# KiCad board cyberdeck-alpha.kicad_pcb (continued)
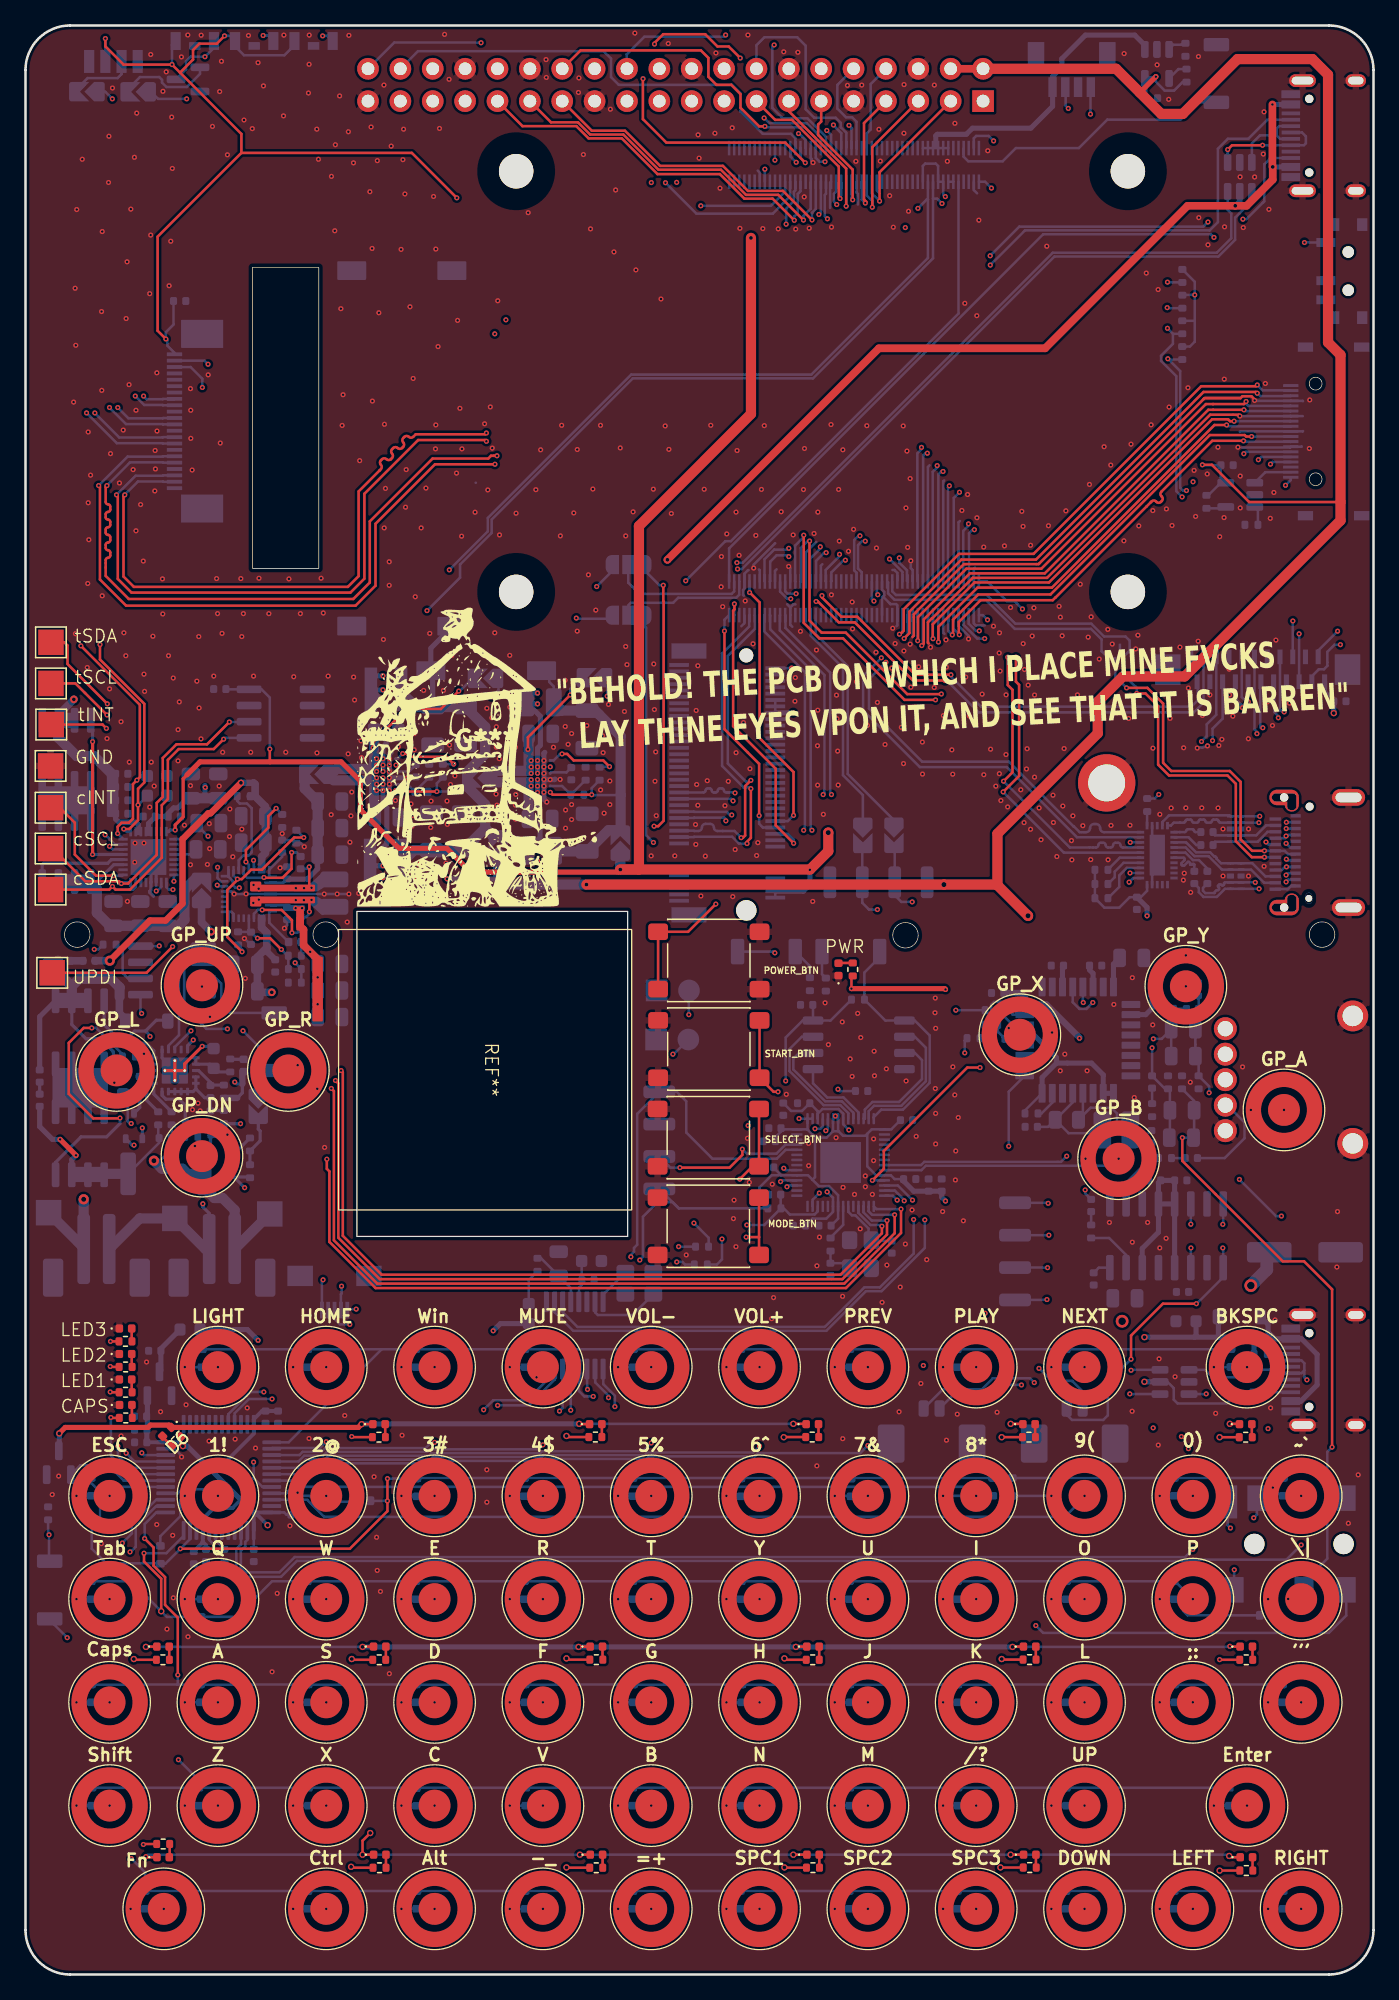
[diagram p0: board, top side]
## Routing (per net, layer and track width the routed paths; a pad name or vN(x,y) marks a point on that pad's centre or on a via; arc(x,y) is an arc through that point) (continued)
/PWR_OK_3V3: length 6.1
  Top w0.2: v1(45.83,94.76) 45.34,95.24 43.02,95.24 42.5,95.76 v1(42.1,95.76)
  Bottom w0.2: U11.F4 41.44,95.24 41.95,95.76 v1(42.1,95.76) ; v1(45.83,94.76) 45.09,94.76 R51.1
/PWR_OK_5V: length 5.9
  Top w0.2: v1(29.6,95.78) 29.9,95.78 30.15,95.53 33.03,95.53 v1(33.6,94.96)
  Bottom w0.2: v1(29.6,95.78) 29.2,95.38 U10.F4 ; R48.1 32.77,94.96 v1(33.6,94.96)
/QSPI_CLK: length 9.2
  Bottom w0.2: U1.6 60.7,72.3 60.25,71.85 60.25,71 62.75,68.5 64.06,68.5 64.96,67.6 U5.52
/REGN: length 6.9
  Top w0.2: v1(18.21,81.3) 19.2,81.3 v1(20.08,80.42)
  Bottom w0.2: R73.2 17.68,81.8 C76.2 ; C76.2 18.18,81.3 v1(18.21,81.3) ; C76.2 17.53,81.95 U4.5 ; R75.1 20.62,78.88 R97.2 20.57,79.93 v1(20.08,80.42)
/RIGHT_CH_AMP_IN: length 49.5
  In1.Cu w0.2: RV1.5 96.75,71.6 96.75,55.85 91.75,50.85 91.75,41.75 v1(91.25,41.25)
  In2.Cu w0.2: v1(91.25,41.25) 92.25,41.25 93.38,40.13 93.38,33.23 v1(94.85,31.75)
  Bottom w0.2: v1(94.85,31.75) 94.84,31.74 J8.5
/RIGHT_CH_LINE: length 15.9
  In2.Cu w0.2: v1(83,76.25) 86.55,72.7 v1(88.4,72.7)
  Bottom w0.2: U9.29 82.97,76.28 v1(83,76.25) ; C45.1 89.8,65.7 C44.1 89.8,69.33 R36.2 89.42,69.48 C40.2 v1(88.4,72.7)
/RIGHT_CH_PREAMP: length 47.3
  Top w0.2: v1(102.53,41.38) 102.53,53.75 100.33,55.95 98.65,55.95 90.78,63.83 v1(90.78,65.65)
  Bottom w0.2: J8.6 100.34,30.81 102.15,32.63 102.15,41 v1(102.53,41.38) ; R38.2 91.7,68.53 C44.2 91.7,65.7 C45.2 v1(90.78,65.65)
/row0: length 92.4
  Bottom w0.2: U2.37 20.65,41.75 27.95,49.05 ; 27.95,49.05 D_6.1 ; 27.95,49.05 94.58,49.05 D_63.1
/row1: length 107.5
  Top w0.2: v1(28.4,38.9) v1(28.4,37.15) 28.4,36.35 25.45,33.4 v1(12.15,33.4)
  Bottom w0.2: v1(28.4,37.15) 27.09,37.15 D_13.1 ; U2.11 12.91,34.16 v1(12.15,33.4) 10.98,32.23 D_7.1 10.56,32.25 6.35,32.25 5.2,33.4 5.2,34.95 5.85,35.6 5.85,37.85 5.15,38.55 D_1.1 ; v1(28.4,38.9) 28.41,38.91 D_19.1 30.74,38.95 D_64.1
/row2: length 105.3
  Top w0.2: v1(9.3,33.05) 9.3,32.4 10.65,31.05 v2(10.65,28.5)
  Bottom w0.2: v1(9.3,33.05) 11.05,33.05 12.41,34.41 U2.12 ; D_65.1 91.2,28.18 90.88,28.5 90.88,30.18 90.2,30.85 90.1,30.85 ; D_60.1 D_14.1 19.35,30.85 16.55,28.05 D_8.1 11.1,28.05 v2(10.65,28.5) 8.3,30.85 D_2.1
/row3: length 109.2
  Top w0.2: v1(9.35,34.2) 10.05,33.5 10.05,32.08 10.95,31.17 10.95,29 11.95,28 v1(11.95,23.5)
  Bottom w0.2: 11.9,22.75 11.95,22.8 v1(11.95,23.5) ; 11.9,22.75 5.18,22.75 ; 11.9,22.75 98.63,22.75 ; v1(9.35,34.2) 9.35,35.34 10.26,36.25 U2.13
/row4: length 115.9
  In2.Cu w0.2: v1(12,16.85) 8.6,20.25 8.6,22.47 7.35,23.73 7.35,32.3 v1(8.2,33.15)
  Bottom w0.2: v1(8.2,33.15) 8.25,33.15 8.65,33.55 8.65,35.14 10.26,36.75 U2.14 ; 5.21,14.65 94.45,14.65 ; v1(12,16.85) 13.6,15.25 13.6,14.65
/row5: length 123.1
  In2.Cu w0.2: v1(7.6,33.85) 7,33.25 7,23.65 8.3,22.35 v1(8.3,9.1)
  Bottom w0.2: D_68.1 D_62.1 D_5.1 9.38,8.02 v1(8.3,9.1) ; U2.15 10.26,37.25 8.35,35.34 8.35,34.6 v1(7.6,33.85)
/RP2040_1v1: length 18.4
  In1.Cu w0.4: v1(62.9,61.4) 62.9,62.6 64.61,64.31 v1(64.61,66.25)
  Bottom w0.2: C21.2 60.07,67.75 60.94,67.75 C16.2 62.16,67.73 U5.45 62.16,67.53 62.53,67.9 63.79,67.9 64.16,67.53 U5.50 64.16,66.7 v1(64.61,66.25) 64.65,66.25 ; v1(62.9,61.4) 63.36,60.94 U5.23 63.36,59.83 62.84,59.3 61.75,59.3 61.21,58.76 C15.2 61.34,58.88
/SD0: length 6.1
  Bottom w0.2: U5.53 65.36,67.63 64.19,68.8 62.9,68.8 61.8,69.91 U1.5
/SD1: length 10.7
  Bottom w0.2: U1.2 69.78,73.57 70.65,72.7 70.65,70.07 68.72,68.15 66.58,68.15 66.16,67.73 U5.55
/SD2: length 9.4
  Bottom w0.2: U5.54 65.86,67.14 65.86,67.85 66.46,68.45 68.55,68.45 70.35,70.25 70.35,71.73 69.78,72.3 U1.3
/SD3: length 10.4
  Bottom w0.2: U1.7 60.92,73.57 59.95,72.6 59.95,70.87 62.62,68.2 63.94,68.2 64.56,67.58 U5.51
/SHIP_MODE: length 7.6
  Bottom w0.2: K_85.1 16.02,75.44 15.37,76.1 15.37,77.72 14.95,78.14 U17.7
/TINY202_UPDI: length 28.1
  Top w0.2: v1(11.55,80.64) 9.5,78.59 TP4.1
  In2.Cu w0.2: v1(15.85,74.19) 15.85,75.01 14.45,76.41 13.2,76.41 11.55,78.06 v1(11.55,80.64)
  Bottom w0.2: v1(15.85,74.19) 14.2,74.19 12.45,75.94 12.45,78.86 13,79.41 U17.6
/USB2_SYS_N: length 118.6
  In2.Cu w0.2: v1(55.82,110.76) 51.32,110.76 50.65,110.09 46.02,110.09 v1(44.82,108.89) 40.47,104.54 30.57,104.54 29.4,103.36 13.97,103.36 6.25,95.64 v1(6.25,89.41)
  Bottom w0.2: v1(55.82,110.76) 56.29,110.76 80.61,135.08 93.48,135.08 94.62,136.21 94.62,138.16 94.33,138.44 94.33,139.88 ; U18.23 7.01,88.67 6.26,89.41 v1(6.25,89.41) ; v1(44.82,108.89) 45.95,110.01 45.95,110.09 46,110.14
/USB2_SYS_P: length 120.3
  In2.Cu w0.2: v1(55.87,110.26) 51.52,110.26 50.92,109.66 46.47,109.66 v1(43.22,106.41) 40.95,104.14 30.72,104.14 29.57,102.99 14.12,102.99 6.65,95.51 6.65,88.56 v1(6.6,88.51)
  Bottom w0.2: U18.22 6.84,88.27 v1(6.6,88.51) ; 96.23,139.88 96.23,139.14 94.92,137.83 94.92,136.09 93.6,134.77 80.73,134.77 56.22,110.26 v1(55.87,110.26) ; v1(43.22,106.41) 43.27,106.36 45.92,106.36
/USB3_0_D_N: length 18.8
  Bottom w0.2: SJ2.1 68.15,90.56 64.52,94.19 64.52,102.65 62.01,105.15 Module3.136
/USB3_0_D_P: length 18
  Bottom w0.2: SJ1.1 65.71,92.53 64.15,94.09 64.15,102.51 61.61,105.04 Module3.134
/USB31_CC1: length 13.5
  In2.Cu w0.2: v1(97.34,88.85) 97.04,88.85 96.07,87.88 87.76,87.88 86.67,86.79 v1(86.67,86.42)
  Bottom w0.2: J21.A5 97.53,88.65 v1(97.34,88.85) ; v1(86.67,86.42) U19.2
/USB31_CC2: length 17
  In2.Cu w0.2: v1(86.6,85.7) 88.03,84.27 97.22,84.27 97.75,84.8 97.75,86.31 v1(98.94,87.5)
  Bottom w0.2: U19.1 86.92,86.02 v1(86.6,85.7) ; J21.B5 99.03,87.4 v1(98.94,87.5)
/USB31_RX1_N: length 11.2
  In1.Cu w0.2: v1(96.78,90.37) 97.25,89.9 v1(98.93,89.9)
  Bottom w0.2: J21.B10 98.93,89.9 v1(98.93,89.9) ; v1(96.78,90.37) U20.2 U20.9 93.74,90.37 arc(93.65,90.4) 93.62,90.49 arc(93.58,90.57) 93.5,90.61 93.22,90.61 arc(93.13,90.57) 93.1,90.49 arc(93.06,90.4) 92.98,90.37 92.7,90.37 arc(92.61,90.4) 92.58,90.49 arc(92.54,90.57) 92.46,90.61 92.18,90.61 arc(92.09,90.57) 92.06,90.49 arc(92.02,90.4) 91.94,90.37 91.66,90.37 arc(91.57,90.4) 91.54,90.49 arc(91.5,90.57) 91.42,90.61 91.14,90.61 arc(91.05,90.57) 91.02,90.49 arc(90.98,90.4) 90.9,90.37 90.11,90.37 89.88,90.14 89.61,90.14 U19.15
/USB31_RX1_P: length 11.2
  In1.Cu w0.2: v1(98.94,90.4) 97.32,90.4 v1(96.85,90.87)
  Bottom w0.2: v1(98.94,90.4) 98.94,90.4 J21.B11 ; U19.14 89.21,90.41 89.73,90.94 94.48,90.94 U20.10 U20.1 v1(96.85,90.87)
/USB31_RX2_N: length 9.1
  Bottom w0.2: U19.18 91.07,88.82 91.85,88.04 92.96,88.04 93.28,87.72 93.36,87.72 93.47,87.61 93.47,87.53 93.82,87.18 U21.10 U21.1 96.27,87.18 97.29,86.15 J21.A10
/USB31_RX2_P: length 9.1
  Bottom w0.2: U19.19 91.04,88.42 91.72,87.73 92.83,87.73 93.89,86.68 U21.9 U21.2 96.17,86.68 97.19,85.65 J21.A11
/USB31_TX1_N: length 5.4
  Bottom w0.2: 93.07,88.61 93.33,88.87 U20.6 U20.5 96.69,88.87 97.47,89.65 J21.A3
/USB31_TX1_P: length 5.4
  Bottom w0.2: J21.A2 97.35,90.15 96.57,89.37 U20.4 U20.7 93.33,89.37 93.07,89.63
/USB31_TX2_N: length 9.1
  In1.Cu w0.2: v1(96.5,85.68) 97.07,86.25 v1(98.92,86.25)
  Bottom w0.2: v1(98.92,86.25) 99.06,86.4 J21.B3 ; C75.2 92.4,85.25 92.4,85.02 92.58,84.84 93.29,84.84 93.33,84.88 93.33,84.94 93.46,85.07 93.58,85.07 93.66,85.14 93.66,85.27 93.58,85.35 93.58,85.43 93.67,85.52 93.8,85.52 93.87,85.45 93.96,85.45 93.99,85.48 94.02,85.48 94.05,85.51 94.05,85.62 94.11,85.68 U21.7 U21.4 v1(96.5,85.68)
/USB31_TX2_P: length 9.1
  In1.Cu w0.2: v1(98.92,85.72) 97.34,85.72 v1(96.8,85.18)
  Bottom w0.2: C74.2 92.07,85.24 92.07,84.91 92.44,84.53 93.48,84.53 94.12,85.18 U21.6 U21.5 v1(96.8,85.18) ; J21.B2 99.1,85.9 v1(98.92,85.72)
Net-(C14-Pad2): length 2.6
  Bottom w0.2: X2.1 64.27,55.8 C14.2 63.17,55.81 R29.1
Net-(C18-Pad1): length 21.2
  In2.Cu w0.2: RV1.3 92.85,70.2 87.95,65.3 81.5,65.3 80.65,64.45 80.65,63.3 82.4,61.55 v1(83.15,61.55)
  Bottom w0.2: C18.1 83.15,61.28 v1(83.15,61.55)
Net-(C18-Pad2): length 1
  Bottom w0.2: C18.2 R32.1
Net-(C19-Pad1): length 7.7
  Bottom w0.2: C19.1 94.1,64.05 95.65,65.6 95.65,66.85 94.25,68.25 94.1,68.25
Net-(C19-Pad2): length 1.1
  Bottom w0.2: C19.2 R33.1
Net-(C40-Pad1): length 1.2
  Bottom w0.2: C40.1 88.4,68.32
Net-(C41-Pad1): length 1.1
  Bottom w0.2: C41.1 92.05,76.73 R35.2
Net-(C86-Pad1): length 2.1
  Bottom w0.25: R91.2 13.5,65.75 C87.1 13.53,66.79 C86.1
Net-(C89-Pad1): length 0.9
  Bottom w0.25: C89.1 C90.2
Net-(C91-Pad1): length 1
  Bottom w0.6: C91.1 C92.2
Net-(D1-A): length 1
  Top w0.2: R20.2 8.34,49.69 D1.2
Net-(D2-A): length 1
  Top w0.2: D2.2 8.34,47.7 R21.2
Net-(D3-A): length 1
  Top w0.2: R22.2 8.34,45.71 D3.2
Net-(D4-A): length 1
  Top w0.2: R23.2 8.35,43.7 D4.2
Net-(D5-A): length 1.1
  Top w0.2: R2.1 96.29,8.18 D5.2
Net-(D6-A): length 1.1
  Top w0.2: R3.1 10.76,42.18 D6.2
Net-(D7-A): length 1
  Top w0.2: R4.1 96.28,24.71 D7.2
Net-(D8-A): length 1
  Top w0.2: D8.2 11.28,24.71 R5.1
Net-(D9-A): length 1
  Top w0.2: D9.2 96.23,42.18 R6.1
Net-(D10-A): length 1.1
  Top w0.2: D10.2 11.32,9.23 R7.1
Net-(D11-A): length 1
  Top w0.2: R8.1 79.29,8.42 D11.2
Net-(D12-A): length 1
  Top w0.2: D12.2 28.23,42.17 R9.1
Net-(D13-A): length 1
  Top w0.2: R10.1 79.28,24.73 D13.2
Net-(D14-A): length 1
  Top w0.2: R11.1 28.28,24.7 D14.2
Net-(D15-A): length 1
  Top w0.2: D15.2 79.23,42.18 R12.1
Net-(D16-A): length 1
  Top w0.2: D16.2 28.29,8.38 R13.1
Net-(D17-A): length 1
  Top w0.2: R14.1 62.29,8.4 D17.2
Net-(D18-A): length 1
  Top w0.2: D18.2 R15.1
Net-(D19-A): length 1
  Top w0.2: D19.2 62.28,24.7 R16.1
Net-(D20-A): length 1
  Top w0.2: D20.2 45.28,24.73 R17.1
Net-(D21-A): length 1
  Top w0.2: R18.1 62.23,42.18 D21.2
Net-(D22-A): length 1
  Top w0.2: R19.1 45.29,8.39 D22.2
Net-(D23-A): length 1.1
  Top w0.2: D23.2 63.81,79.36 R24.2
Net-(D30-K): length 1.1
  Bottom w0.25: R88.2 16.09,71.8 D30.1
Net-(D31-K): length 19.3
  In2.Cu w0.25: v1(8.3,66.76) 8.3,72.79 9.1,73.59 v1(9.77,73.59)
  Bottom w0.2: 7.67,69.09 8.02,68.74 8.02,66.94 8.2,66.76 v1(8.3,66.76)
  Bottom w0.25: 11.22,74.87 10.27,74.87 9.42,74.02 ; 9.42,74.02 9.77,73.66 v1(9.77,73.59) ; 9.42,74.02 8.56,74.02 R86.1 6.17,74.5 6.17,76.39
Net-(D32-A): length 2.1
  Bottom w0.25: Q2.3 8.97,68.02 8.97,69.48
Net-(D33-K): length 15
  In1.Cu w0.25: v1(8.52,65.07) 8.52,63.67 10.46,61.73 v1(17.2,61.73)
  Bottom w0.25: v1(8.52,65.07) 8.37,65.07 Q2.2 ; R64.2 17.56,62.57 D33.1 16.36,62.57 v1(17.2,61.73)
Net-(D35-A): length 1.1
  Bottom w0.2: D35.2 21.64,80.97 R97.1
Net-(D35-K): length 2.5
  Bottom w0.2: D35.1 19.13,82.52 U4.1
Net-(D_1-A): length 1.2
  Bottom w0.2: v1(4,37.55) D_1.2
Net-(D_2-A): length 1.2
  Bottom w0.2: v1(4,29.45) D_2.2
Net-(D_3-A): length 1.2
  Bottom w0.2: v1(4,21.35) D_3.2
Net-(D_4-A): length 1.2
  Bottom w0.2: v1(4,13.25) D_4.2
Net-(D_5-A): length 1.1
  Bottom w0.2: v1(8.25,5.15) D_5.2
Net-(D_6-A): length 1.4
  Bottom w0.2: v1(12.5,47.65) D_6.2
Net-(D_7-A): length 4.7
  Bottom w0.2: D_7.2 10.58,34.38 12.15,35.95 12.15,37.2 v1(12.5,37.55)
Net-(D_8-A): length 1.3
  Bottom w0.2: v1(12.5,29.45) D_8.2
Net-(D_9-A): length 1.2
  Bottom w0.2: v1(12.5,21.35) D_9.2
Net-(D_10-A): length 1.1
  Bottom w0.2: v1(12.5,13.25) D_10.2
Net-(D_11-A): length 1.2
  Bottom w0.2: v1(21,5.15) D_11.2
Net-(D_12-A): length 1.1
  Bottom w0.2: v1(21,47.65) D_12.2
Net-(D_13-A): length 4.6
  Bottom w0.2: D_13.2 25.61,37.1 22.75,37.1 22.3,37.55 21.6,37.55 v1(21.35,37.8)
Net-(D_14-A): length 1.1
  Bottom w0.2: v1(21,29.45) D_14.2
Net-(D_15-A): length 1.2
  Bottom w0.2: v1(21,21.35) D_15.2
Net-(D_16-A): length 1.2
  Bottom w0.2: v1(21,13.25) D_16.2
Net-(D_17-A): length 1.2
  Bottom w0.2: v1(29.5,5.15) D_17.2
Net-(D_18-A): length 1.1
  Bottom w0.2: v1(29.5,47.65) D_18.2
Net-(D_19-A): length 1.2
  Bottom w0.2: v1(29.5,37.55) 30.67,37.55 30.7,37.58
Net-(D_20-A): length 1.1
  Bottom w0.2: v1(29.5,29.45) D_20.2
Net-(D_21-A): length 1.2
  Bottom w0.2: v1(29.5,21.35) D_21.2
Net-(D_22-A): length 1.2
  Bottom w0.2: D_22.2 30.65,13.25 v1(29.5,13.25)
Net-(D_23-A): length 1.2
  Bottom w0.2: v1(38,47.65) D_23.2
Net-(D_24-A): length 1.2
  Bottom w0.2: 39.15,37.6 39.1,37.55 v1(38,37.55)
Net-(D_25-A): length 1.2
  Bottom w0.2: v1(38,29.45) D_25.2
Net-(D_26-A): length 1.2
  Bottom w0.2: v1(38,21.35) D_26.2
Net-(D_27-A): length 1.2
  Bottom w0.2: v1(38,13.25) D_27.2
Net-(D_28-A): length 1.2
  Bottom w0.2: v1(38,5.15) D_28.2
Net-(D_29-A): length 1.2
  Bottom w0.2: v1(46.5,47.65) D_29.2
Net-(D_30-A): length 1.2
  Bottom w0.2: v1(46.5,37.55) 47.63,37.55 D_30.2
Net-(D_31-A): length 1.2
  Bottom w0.2: v1(46.5,29.45) D_31.2
Net-(D_32-A): length 1.2
  Bottom w0.2: v1(46.5,21.35) D_32.2
Net-(D_33-A): length 1.2
  Bottom w0.2: v1(46.5,13.25) D_33.2
Net-(D_34-A): length 1.2
  Bottom w0.2: v1(46.5,5.15) D_34.2
Net-(D_35-A): length 1.1
  Bottom w0.2: v1(55,47.65) D_35.2
Net-(D_36-A): length 1.1
  Bottom w0.2: D_36.2 56.08,37.55 v1(55,37.55)
Net-(D_37-A): length 1.2
  Bottom w0.2: v1(55,29.45) D_37.2
Net-(D_38-A): length 1.2
  Bottom w0.2: v1(55,21.35) D_38.2
Net-(D_39-A): length 1.2
  Bottom w0.2: v1(55,13.25) D_39.2
Net-(D_40-A): length 1.1
  Bottom w0.2: v1(55,5.15) D_40.2
Net-(D_41-A): length 1.1
  Bottom w0.2: v1(63.5,5.15) D_41.2
Net-(D_42-A): length 1.2
  Bottom w0.2: v1(63.5,47.65) D_42.2
Net-(D_43-A): length 1.3
  Bottom w0.2: v1(63.5,37.55) 64.75,37.55 D_43.2
Net-(D_44-A): length 1.2
  Bottom w0.2: v1(63.5,29.45) D_44.2
Net-(D_45-A): length 1.2
  Bottom w0.2: v1(63.5,21.35) D_45.2
Net-(D_46-A): length 1.2
  Bottom w0.2: v1(63.5,13.25) D_46.2
Net-(D_47-A): length 1.1
  Bottom w0.2: v1(72,47.65) D_47.2
Net-(D_48-A): length 4.5
  Bottom w0.2: D_48.2 75.2,36.85 74.18,36.85 73.48,37.55 v1(72,37.55)
Net-(D_49-A): length 1.1
  Bottom w0.2: v1(72,29.45) D_49.2
Net-(D_50-A): length 1.2
  Bottom w0.2: v1(72,21.35) D_50.2
Net-(D_51-A): length 1.2
  Bottom w0.2: v1(72,13.25) D_51.2
Net-(D_52-A): length 1.1
  Bottom w0.2: v1(72,5.15) D_52.2
Net-(D_53-A): length 1.2
  Bottom w0.2: v1(80.5,47.65) D_53.2
Net-(D_54-A): length 3.1
  Bottom w0.2: v1(80.5,37.55) D_54.2
Net-(D_55-A): length 1.2
  Bottom w0.2: v1(80.5,29.45) D_55.2
Net-(D_56-A): length 1.2
  Bottom w0.2: v1(80.5,21.35) D_56.2
Net-(D_57-A): length 1.2
  Bottom w0.2: v1(80.5,13.25) D_57.2
Net-(D_58-A): length 1.1
  Bottom w0.2: v1(80.5,5.15) D_58.2
Net-(D_59-A): length 1.2
  Bottom w0.2: v1(89,37.55) D_59.2
Net-(D_60-A): length 1.1
  Bottom w0.2: v1(89,29.45) D_60.2
Net-(D_61-A): length 1.2
  Bottom w0.2: v1(89,21.36) 90.17,21.36 D_61.2
Net-(D_62-A): length 1.1
  Bottom w0.2: v1(89,5.15) D_62.2
Net-(D_63-A): length 1.3
  Bottom w0.2: D_63.2 94.58,47.65 v1(93.25,47.65)
Net-(D_64-A): length 1.1
  Bottom w0.2: D_64.2 98.53,37.55 v1(97.88,38.2)
Net-(D_65-A): length 1.6
  Bottom w0.2: D_65.2 97.5,28.93 v1(97.5,29.45)
Net-(D_66-A): length 1.1
  Bottom w0.2: v1(97.5,21.35) D_66.2
Net-(D_67-A): length 1.2
  Bottom w0.2: v1(93.25,13.25) D_67.2
Net-(D_68-A): length 1.2
  Bottom w0.2: v1(97.5,5.15) D_68.2
Net-(D_69-K): length 11
  Bottom w0.4: D_69.1 97.5,51 97.5,50.4 98.03,49.88 J6.A4 100.13,49.88 101.35,48.65 101.35,46.25 100.08,44.98 J6.A9
Net-(J6-CC1): length 1.9
  Bottom w0.2: R41.1 97.45,48.68 J6.A5
Net-(J6-CC2): length 2
  Bottom w0.2: J6.B5 97.34,45.68 R40.1
Net-(J6-D+-PadA6): length 10.3
  Bottom w0.2: J6.B6 98.43,46.68 98.15,46.95 98.15,47.46 ; J6.A6 98.37,47.68 98.15,47.46 ; U6.1 92.56,47.44 93.15,46.85 96.05,46.85 96.66,47.46 98.15,47.46
Net-(J6-D--PadA7): length 13.4
  In1.Cu w0.2: v1(92.65,45.55) 93.75,46.65 v1(100.55,46.65)
  Bottom w0.2: 100.35,47.4 100.35,46.85 v1(100.55,46.65) ; 100.35,47.4 100.13,47.18 J6.A7 ; 100.35,47.4 100.35,47.95 100.13,48.18 J6.B7 ; U6.3 92.64,45.54 v1(92.65,45.55)
Net-(J9-Pin_1): length 40.3
  Top w0.2: v1(91.88,52.63) 89.25,52.63 86.75,50.13 v1(86.75,48.28)
  In1.Cu w0.2: v1(93.95,57) 92.65,58.3 82.45,58.3 v1(80.25,60.5)
  Bottom w0.2: v1(93.95,57) 93.95,56.91 93.98,56.88 U8.1 93.98,54.71 91.9,52.63 v1(91.88,52.63) ; v1(80.25,60.5) 80.21,60.54 77.65,60.54 ; LS1.2 81.7,43.92 82.12,43.51 84.57,43.51 84.93,43.87 84.93,46.45 v1(86.75,48.28) 86.75,48.2
Net-(J9-Pin_2): length 31.8
  In1.Cu w0.2: 82.2,56.1 82.2,53.48 79.43,50.7 79.43,47.65 v1(79.53,47.55) ; 82.2,56.1 v1(80.3,58) ; 82.2,56.1 90.55,56.1 v1(91.45,57)
  Bottom w0.2: U8.3 91.44,56.99 v1(91.45,57) ; v1(79.53,47.55) 80.51,46.57 82.14,46.57 82.14,46.56 82.95,45.74 LS1.1 ; v1(80.3,58) J9.2
Net-(J9-Pin_3): length 34.1
  In1.Cu w0.2: v1(78.15,46.25) 78.15,46.28 78.52,46.65 78.52,53.77 v1(80.2,55.45)
  In2.Cu w0.2: v1(80.2,55.45) 83.25,58.5 91.08,58.5 v1(91.44,58.86)
  Bottom w0.2: LS2.1 72.7,45.38 75.48,45.38 76.35,46.25 v1(78.15,46.25) ; 77.65,55.46 80.19,55.46 v1(80.2,55.45) ; U8.14 v1(91.44,58.86) 91.45,58.85
Net-(J9-Pin_4): length 37.4
  In1.Cu w0.2: v1(80.15,52.95) 78.83,51.63 78.83,46.95 79,46.78 79,46.59 v1(79.16,46.44)
  In2.Cu w0.2: v1(93.95,58.85) 93.3,58.2 85.4,58.2 v1(80.15,52.95)
  Bottom w0.2: v1(79.16,46.44) 78.82,46.78 75.9,46.78 75.03,45.9 71.98,45.9 LS2.2 ; U8.16 93.98,58.88 v1(93.95,58.85) ; J9.4 80.12,52.92 v1(80.15,52.95)
Net-(J13-D+-PadA6): length 9.2
  Top w0.2: v1(97.07,143.51) 94.68,143.51 v1(94.34,143.17)
  Bottom w0.2: v1(94.34,143.17) 94.34,142.81 94.33,142.8 U14.1 ; J13.A6 100.17,144.51 100.47,144.21 100.47,143.66 100.32,143.51 J13.B6 v1(97.07,143.51)
Net-(J13-D--PadA7): length 6.7
  Bottom w0.2: 98.17,144.28 96.87,144.28 96.23,143.64 U14.3 ; 98.17,144.28 98.44,144.01 J13.A7 ; 98.17,144.28 98.17,144.81 98.37,145.01 J13.B7
Net-(K_81-Pad1): length 2.5
  Bottom w0.2: R25.1 61.55,79.1 K_81.1
Net-(K_82-Pad1): length 2.2
  Bottom w0.2: K_82.1 62.5,78.47 R30.1
Net-(L1-Pad1): length 24.7
  In1.Cu w0.4: v1(28.05,86.03) v1(28.05,86.98) v1(28.05,93.88)
  In2.Cu w0.4: v1(28.05,86.03) v1(28.05,93.88)
  Bottom w0.4: 27.15,86.08 27.2,86.03 v1(28.05,86.03) ; 27.2,86.51 27.15,86.56 ; 27.23,87.01 27.25,86.98 v1(28.05,86.98) ; L1.1 28.35,88.72 28.35,91.53 28.05,91.83 v1(28.05,92.88) v1(28.05,93.38) v1(28.05,93.88)
Net-(L2-Pad1): length 23.9
  In1.Cu w0.4: v1(28.05,101.88) v1(28.05,100.78) v1(28.05,94.38)
  In2.Cu w0.4: v1(28.05,94.38) v1(28.05,101.88)
  Bottom w0.4: v1(28.05,100.78) 27.15,100.78 L2.1 28.3,99.63 28.3,96.56 28.05,96.31 v1(28.05,95.38) v1(28.05,94.38) ; v1(28.05,101.88) 27.25,101.88 27.23,101.86
  vias: v1(28.05,94.88)
Net-(L3-Pad1): length 20.2
  In1.Cu w0.4: v1(40.18,93.74) v1(40.18,88.23) v1(40.18,87.38)
  In2.Cu w0.4: v1(40.18,93.74) v1(40.18,87.38)
  Bottom w0.4: 39.58,87.81 39.55,87.83 ; 39.63,88.26 39.65,88.23 v1(40.18,88.23) ; v1(40.18,87.38) 40.15,87.36 39.43,87.36 ; v1(40.18,93.74) v1(40.18,93.23) U11.A2 40.18,91.63 40.38,91.43 40.38,89.21 L3.1
  vias: v1(40.18,92.73)
Net-(L4-Pad1): length 19.8
  In1.Cu w0.4: v1(40.18,94.24) v1(40.18,99.68) v1(40.18,100.53)
  In2.Cu w0.4: v1(40.18,94.24) v1(40.18,100.53)
  Bottom w0.4: v1(40.18,100.53) 40.18,100.53 39.58,100.53 ; v1(40.18,99.68) 39.7,99.68 ; L4.1 40.4,98.71 40.4,96.43 40.18,96.21 v1(40.18,95.24) v1(40.18,94.73) v1(40.18,94.24)
Net-(Q7-G): length 22.3
  Top w0.2: v1(5.2,74.26) 4.57,74.26 3.4,73.09 3.4,69.09 5.32,67.16 7.38,67.16 v1(7.42,67.2)
  Bottom w0.2: v1(5.2,74.26) 5.55,74.26 7.61,72.2 R85.1
  Bottom w0.25: 2.36,62.74 2.36,63.72 4.36,65.72 6.37,65.72 7.42,66.77 v1(7.42,67.2)
Net-(R64-Pad1): length 4
  Bottom w0.25: R64.1 R95.1 18.42,65.41 18.42,66.17 18.27,66.32 SJ14.2
Net-(U4-BATP): length 7.3
  Bottom w0.2: U4.18 16.73,87.42 17.1,87.79 17.51,87.79 17.75,88.03 17.75,91.5 17.38,91.87 16.82,91.87 16.62,92.07 R71.1
Net-(U4-BTST1): length 5.6
  Top w0.2: v1(20.91,81.73) 20.91,82.71 20.1,83.52 v1(18.58,83.52)
  Bottom w0.2: v1(20.91,81.73) 21.33,81.73 C77.1 ; v1(18.58,83.52) 18.23,83.52 17.93,83.21 U4.4
Net-(U4-BTST2): length 6.6
  Top w0.2: v1(18.71,86.07) 18.78,86.07 18.81,86.04 20.17,86.04 20.88,86.75 20.88,88.02
  Bottom w0.2: v1(18.71,86.07) 18.66,86.07 18.63,86.04 17.39,86.04 17.13,86.3 U4.19 ; v1(20.89,88.03) 21.28,88.03 C93.1
Net-(U4-ILIM_HIZ): length 15.3
  Top w0.2: 21.84,89.19 v1(21.84,89.2) 21.08,89.2 18.56,86.68 17.72,86.68 16.98,85.93 v1(16.63,85.93) 16.64,85.93 16.63,85.93 ; 16.57,85.81 15.84,85.08 15.84,81.39 v1(16.99,80.23)
  Bottom w0.2: v1(16.99,80.23) 16.99,80.41 16.68,80.73 R73.1 ; v1(21.84,89.2) R74.2 ; U4.17 16.33,86.21 16.6,85.93 v1(16.63,85.93)
Net-(U4-PROG): length 6.6
  Top w0.2: v1(17.3,87.29) 17.3,88.21 19.06,89.97 19.06,90.88 v1(19.67,91.49)
  Bottom w0.2: v1(19.67,91.49) R72.2 ; v1(17.3,87.29) 17.53,87.06 U4.20
Net-(U4-SDRV): length 1.8
  Bottom w0.2: U4.24 19.13,86.68 20.14,87.69 C94.1
Net-(U4-SW1): length 3.2
  Top w0.2: v1(22.28,83.38) 22.28,84.14 v1(22.45,84.31)
  Bottom w0.2: v1(22.28,83.38) 22.28,83.22 22.02,82.96 C77.2 ; 18.33,84.37 18.38,84.32 19.18,84.32 ; 18.33,84.34 v1(18.31,84.33) ; 24.01,83.91 24.23,83.69
  vias: v1(17.88,84.07) v1(21.21,84.29) v1(21.85,84.29)
Net-(U4-SW2): length 3.4
  Top w0.2: v1(22.45,85.26) 22.27,85.44 v1(22.27,86.9)
  Bottom w0.2: 18.31,85.19 v1(18.3,85.18) ; 18.31,85.22 19.22,85.22 U4.26 ; C93.2 22.12,86.75 v1(22.27,86.9)
  vias: v1(17.9,85.48) v1(21.22,85.23) v1(21.86,85.23)
Net-(U4-TS): length 11.5
  In1.Cu w0.2: v1(16.78,85.26) 16.78,84.28 19.06,82 19.28,82 21.16,80.12 v1(21.16,79.38)
  Bottom w0.2: U4.16 15.93,86.12 16.26,85.79 16.26,85.48 16.48,85.26 v1(16.78,85.26) ; R96.1 R75.2 21.65,78.89 v1(21.16,79.38)
Net-(U4-VAC1): length 1.1
  Bottom w0.2: U4.9 16.17,83.37 16.33,83.21 U4.8
Net-(U5-RUN): length 34.2
  In1.Cu w0.2: v1(58.8,80.15) 58.25,79.6 58.25,68.15 v1(56.7,66.6)
  In2.Cu w0.2: v1(56.7,66.6) 55.3,65.2 55.3,62.12 56.6,60.82 v1(56.6,58.8)
  Bottom w0.2: C34.1 59.25,61.17 59.25,60.13 59.29,60.09 59.51,60.09 59.98,59.62 61.92,59.62 62.16,59.87 U5.26 ; R31.1 57.97,58.8 v1(56.6,58.8) ; K_81.2 58.7,80.25 v1(58.8,80.15)
Net-(U5-USB_DM): length 21.8
  In1.Cu w0.2: v1(61.95,66.35) 60.35,66.35 57.45,63.45 54.73,63.45 54.72,63.45 54.7,63.45 51.9,60.65 51.9,58.55 52.75,57.7 v1(54.65,57.7)
  Bottom w0.2: R28.2 54.25,55.7 54.65,56.1 v1(54.65,57.7) ; U5.46 62.56,66.53 62.38,66.35 v1(61.95,66.35)
Net-(U5-USB_DP): length 17.7
  In1.Cu w0.2: v1(52.45,58.95) 52.45,60.75 54.85,63.15 57.58,63.15 60.38,65.95 62.55,65.95 v1(62.8,66.2)
  Bottom w0.2: v1(62.8,66.2) 62.96,66.36 U5.47 ; R27.2 53.6,57.8 v1(52.45,58.95)
Net-(U5-XIN): length 5.2
  Bottom w0.2: C13.2 66.42,57.55 X2.3 66.15,57.83 66.15,58.52 65.12,59.55 64.85,59.55 64.56,59.84 U5.20
Net-(U5-XOUT): length 2.9
  Bottom w0.2: R29.2 63.17,57.82 64.16,58.81 U5.21
Net-(U7-V5): length 4.7
  Bottom w0.2: 42.8,52.75 42.8,53.84 C33.2 40.46,56.19 R42.1
Net-(U7-VDD33): length 3.3
  Bottom w0.2: C28.1 43.64,54.85 43.66,54.83 43.66,54.12 43.44,53.9 43.44,52.75
Net-(U7-XI): length 3
  Bottom w0.2: 45.34,52.75 45.34,53.35 X1.3
Net-(U7-XO): length 6.1
  Bottom w0.2: 44.71,52.75 44.71,51.94 44.91,51.74 47.63,51.74 X1.1
Net-(U8-INL): length 4.3
  Bottom w0.2: U8.7 86.36,56.45 85.03,57.78 R32.2
Net-(U8-INR): length 5
  Bottom w0.2: R33.2 88.3,64.05 86.36,62.11 U8.10
Net-(U8-VREF): length 1.4
  Bottom w0.2: U8.8 84.22,55.45 C20.2
Net-(U9-D+): length 6.3
  Bottom w0.2: U9.23 77.47,75.3 77,75.77 77,76.05 76.75,76.3 76,76.3 75.77,76.07 75.77,74.99 R45.2 75.28,73.83 R43.2
Net-(U9-D-): length 2.6
  Bottom w0.2: U9.22 77.47,74.5 R44.2
Net-(U9-DT): length 2.2
  Bottom w0.2: R46.2 79.73,67.55 80.57,68.4 U9.15
Net-(U9-VCCL): length 1.8
  Bottom w0.4: 81.45,79.05 C48.1 81.37,79.07 U9.27
Net-(U9-VCCP): length 3
  Bottom w0.4: 88.4,76.89 88.4,75.8 87.9,75.3 U9.2
Net-(U9-VCCR): length 1.8
  Bottom w0.4: C49.1 83.49,78.81 83.77,78.53 U9.30
Net-(U9-VCOM): length 2.5
  Bottom w0.4: C50.2 85.37,79.27 U9.32
Net-(U9-XTI): length 10.2
  Bottom w0.2: C46.2 88.19,65.4 86.7,65.4 85.7,66.4 85.65,66.4 85.65,67.55 85.2,68 83.58,68 R47.1 82.97,67.4 U9.12
Net-(U9-XTO): length 8.9
  Bottom w0.2: U9.13 82.17,68.42 R47.2 ; R47.2 81.85,66 83.4,66 84.5,67.1 ; R47.2 80.25,66.5 C47.1
Net-(U10-EN): length 11.4
  In1.Cu w0.2: v1(29.08,94.88) 30.39,94.88 35.75,100.24 v1(36.6,100.24)
  Bottom w0.2: SJ9.1 37.11,100.75 v1(36.6,100.24) ; v1(29.08,94.88) U10.E4
Net-(U10-FB): length 3.4
  Bottom w0.2: R50.2 30.57,92.81 R49.1 29.97,93.38 U10.B4
Net-(U10-SS/TR): length 1.8
  Bottom w0.2: U10.D4 30.1,94.38 30.63,94.91 C60.2
Net-(U11-EN): length 10.1
  In1.Cu w0.2: v1(45.65,100.29) 43.7,100.29 41,97.59 41,95.89 41.18,95.7 v1(41.18,94.74)
  Bottom w0.2: v1(45.65,100.29) 45.65,101.72 SJ8.1
Net-(U11-FB): length 3.5
  Bottom w0.2: R53.2 43.93,93.7 R52.1 42.11,93.24 U11.B4
Net-(U11-SS/TR): length 1.8
  Bottom w0.2: C63.2 42.45,94.31 41.24,94.31 U11.D4
Net-(U12-~{EN}): length 1.6
  Bottom w0.2: U12.4 94.07,115.02 R56.1
Net-(U12-~{RSET}): length 1.5
  Bottom w0.2: R62.2 96.7,114.88 U12.3
Net-(U15-~{EN}): length 1.7
  Bottom w0.2: R61.1 90.46,149.48 U15.4
Net-(U15-~{RSET}): length 1.5
  Bottom w0.2: 89.73,151.05 90.07,151.39 90.91,151.39 ; 90.68,151.39 90.79,151.5
Net-(U16-SRN): length 3.5
  Bottom w0.25: U16.7 9.77,70.42 9.52,70.17 9.52,68.58 R93.1
Net-(U16-SRP): length 2.8
  Bottom w0.25: R92.2 10.07,69.08 U16.6
Net-(U17-PA6): length 4
  Bottom w0.2: R66.2 7.63,80.28 7.63,78.56 8.05,78.14 9.02,78.14
Net-(U18-I2Ct_IRQ): length 21.7
  Top w0.2: v1(6.35,97.76) 6.05,98.06 TP6.1
  In1.Cu w0.2: v1(6.35,97.76) 9.3,97.76 10.6,96.46 10.6,85.33 v1(10.26,85)
  Bottom w0.2: v1(10.26,85) 10.33,85 10.65,85.32 10.65,85.67
Net-(U18-I2Ct_SCL): length 23.6
  Top w0.2: TP8.1 3.92,101.29 v1(6.4,98.81)
  In1.Cu w0.2: v1(6.4,98.81) 8.67,98.81 10.9,96.59 10.9,85.79 v1(11.57,85.11)
  Bottom w0.2: v1(11.57,85.11) 11.25,85.11 11.05,85.31 11.05,85.67
Net-(U18-I2Ct_SDA): length 24.9
  Top w0.2: v1(6.42,99.69) 3.3,102.81 3.3,104.26 3.05,104.51 TP7.1
  In1.Cu w0.2: v1(11.65,85.76) 11.65,86.09 11.2,86.54 11.2,96.71 8.22,99.69 v1(6.42,99.69)
  Bottom w0.2: U18.8 v1(11.65,85.76)
Net-(U18-LDO_1V5): length 2.1
  Bottom w0.2: 13.69,87.85 13.67,87.87 U18.4
Net-(U19-CURRENT_MODE): length 4.1
  Bottom w0.2: R69.2 85.83,85.33 85.83,86.23 86.42,86.82 U19.3
Net-(U19-DIR): length 1.1
  Bottom w0.2: R67.2 88.01,91.23 U19.11
Net-(U19-PORT): length 3.5
  Bottom w0.2: R70.2 85.47,86.08 85.47,86.52 86.17,87.22 U19.4
Net-(U19-TX1N): length 2.4
  Bottom w0.2: C73.1 91.8,89.63 arc(91.72,89.66) 91.69,89.74 arc(91.66,89.81) 91.58,89.85 91.19,89.85 arc(91.11,89.81) 91.08,89.74 arc(91.05,89.66) 90.97,89.63 90.13,89.63 U19.16
Net-(U19-TX1P): length 2.4
  Bottom w0.2: C72.1 91.88,88.61 91.27,89.22 U19.17
Net-(U19-TX2N): length 3.4
  Bottom w0.2: C75.1 92.74,86.77 92.08,87.43 91.61,87.43 91.02,88.02 U19.20
Net-(U19-TX2P): length 3.3
  Bottom w0.2: U19.21 90.88,87.62 90.95,87.55 90.95,87.43 90.72,87.2 90.72,87.05 90.77,87 90.92,87 91.21,87.29 91.3,87.29 91.39,87.2 91.39,87.09 91.41,87.07 91.55,87.07 91.61,87.12 91.66,87.12 91.7,87.09 91.7,87.09 91.72,87.07 C74.1
Net-(U19-VBUS_DET): length 3
  Bottom w0.2: U19.5 85.87,87.62 84.94,86.69 R68.2

## Copper pours and planes (outline as drawn; the poured copper is in the pictures)
+5V_MAIN on Bottom: 86.8,53.7 87.35,54.25 87.35,56.45 87.9,56.45 87.95,56.4 87.95,54.5 88.45,54 89.45,54 89.9,54.45 89.9,56.4 90.45,56.4 90.45,54 90.6,53.85 90.6,53.3 90.55,53.25 90.55,51.8 90.7,51.65 90.7,50.9 90.6,50.8 86.8,50.8 86.7,50.7 85.5,50.7 85.35,50.85 85.35,51.65 85.65,51.95 86.4,51.95 86.65,52.2 86.65,53.6 86.75,53.7
GND on Top, Bottom, In1.Cu, In2.Cu: 106.85,154.18 106.95,-0.95 -1.63,-0.92 -1.63,154.18
Net-(U4-SW1) on Bottom (solid shape): 23.3,83.21 22.29,84.14 21.1,84.14 21.1,84.47 22.89,84.47 23.3,84.21
Net-(U4-SW2) on Bottom (solid shape): 23.3,86.33 22.29,85.4 21.1,85.4 21.1,85.07 22.89,85.07 23.3,85.33

## Text on the board
B.Silkscreen: BUTTON_LB | BUTTON_RB | GND | D+ | D- | 5v | 1 | 22 | Left | Right | SPDIF out | GPIO26 | GPIO16 | 1-2 CM4 / 2-3 CM5 | Hub/OTG | USB mode | 3.3v | STM32F | Thumbstick | USB Hub | CH334R | Y | X | 16MB | Flash | MCU | RP2040 | FRAGILE PINS - HANDLE WITH CARE | R+ | L- | R- | L+ | SPEAKERS | PCM2706 DAC | Headphones | Amp | PAM8406 | Accessory | QMK Keyboard | 5V | 3.3V | USB / HUB | + / - | EEPROM | IR | CPU FAN | CM5 BOOT | Raspberry Pi Compute Module 5 | 22P | DSI | RPi 40P / GPIO | 6 AMP VREGS | M.2 NVMe SSD | USB / CHG, / OTG | VOL | MIPI 0 | USB-C 3.1 / Gen1 5Gbps | HDMI / OUT | - | + | BATT MGMT | ! | not to be used for boring shit | prototype | KEEP CLEAR | LANDING ZONE | & | to | death | scavengers | vultures | install it like u stole it | first
F.Silkscreen: POWER_BTN | START_BTN | SELECT_BTN | MODE_BTN | LED3 | LED2 | LED1 | CAPS | cSDA | UPDI | cSCL | tSDA | tSCL | GND | cINT | tINT | PWR | {dblquote}BEHOLD! THE PCB ON WHICH I PLACE MINE FVCKS | LAY THINE EYES VPON IT, AND SEE THAT IT IS BARREN{dblquote}
